# KiCad board ClockIOT.kicad_pcb
title: ClockIOT; date: 2018-06-10; rev: rev 1; company: www.wyolum.com; note: https://github.com/wyolum/ClockIOT
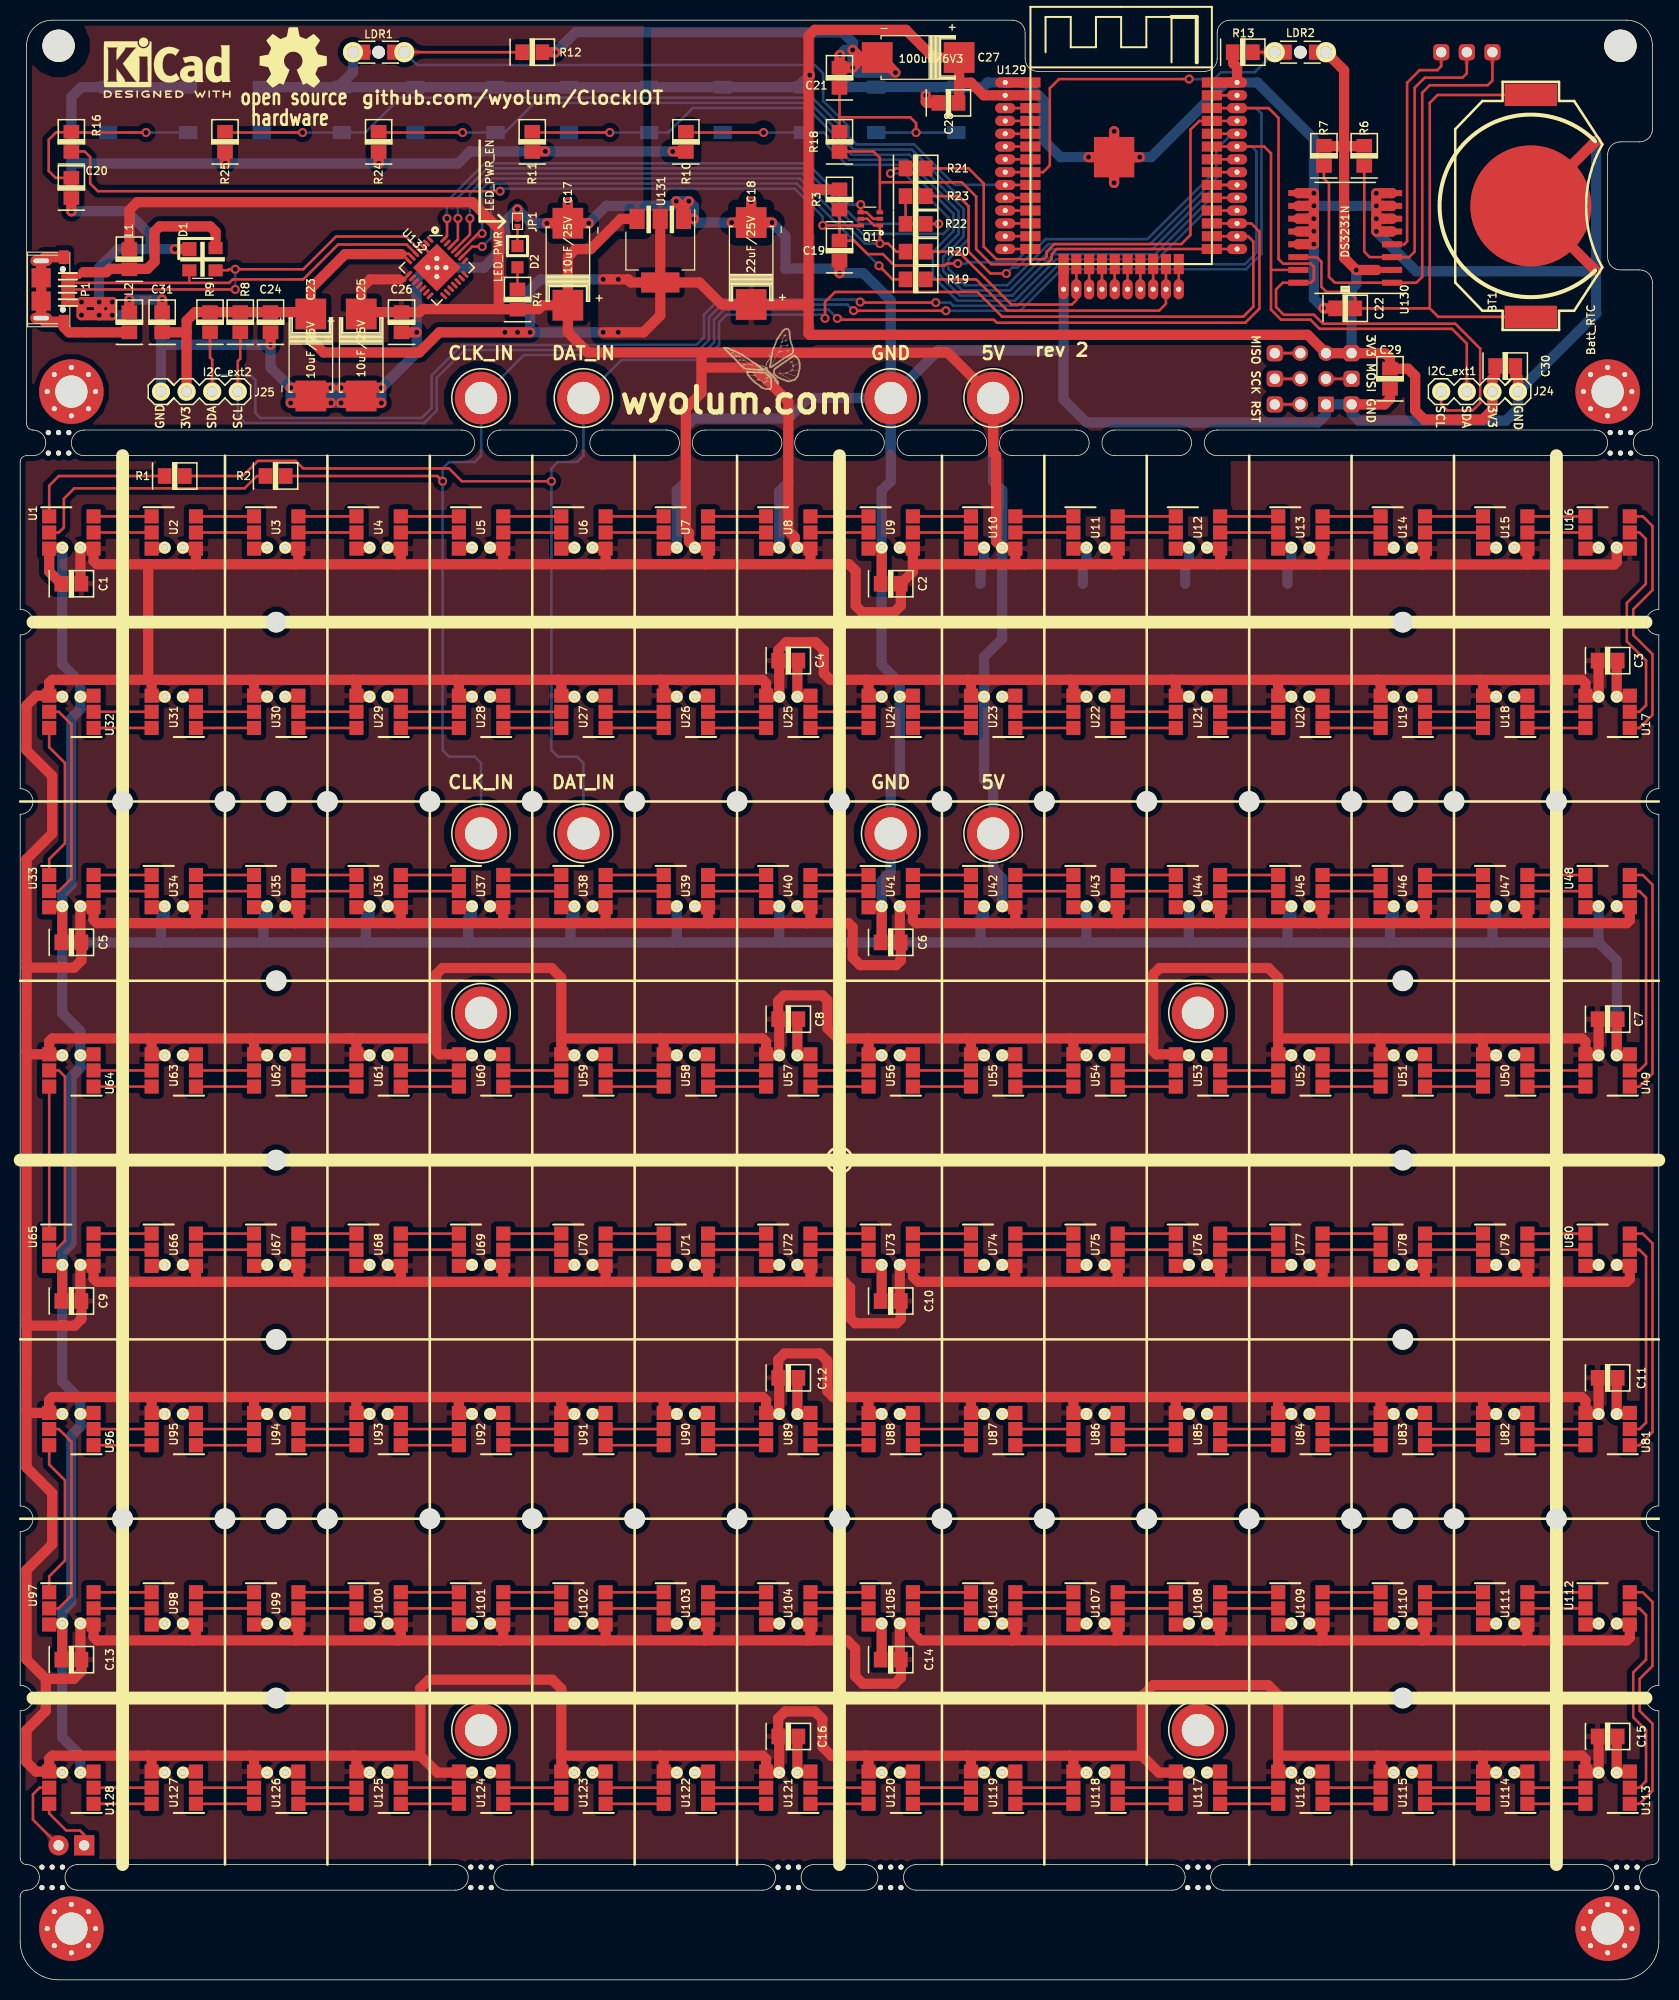
[diagram p0: board, top side]
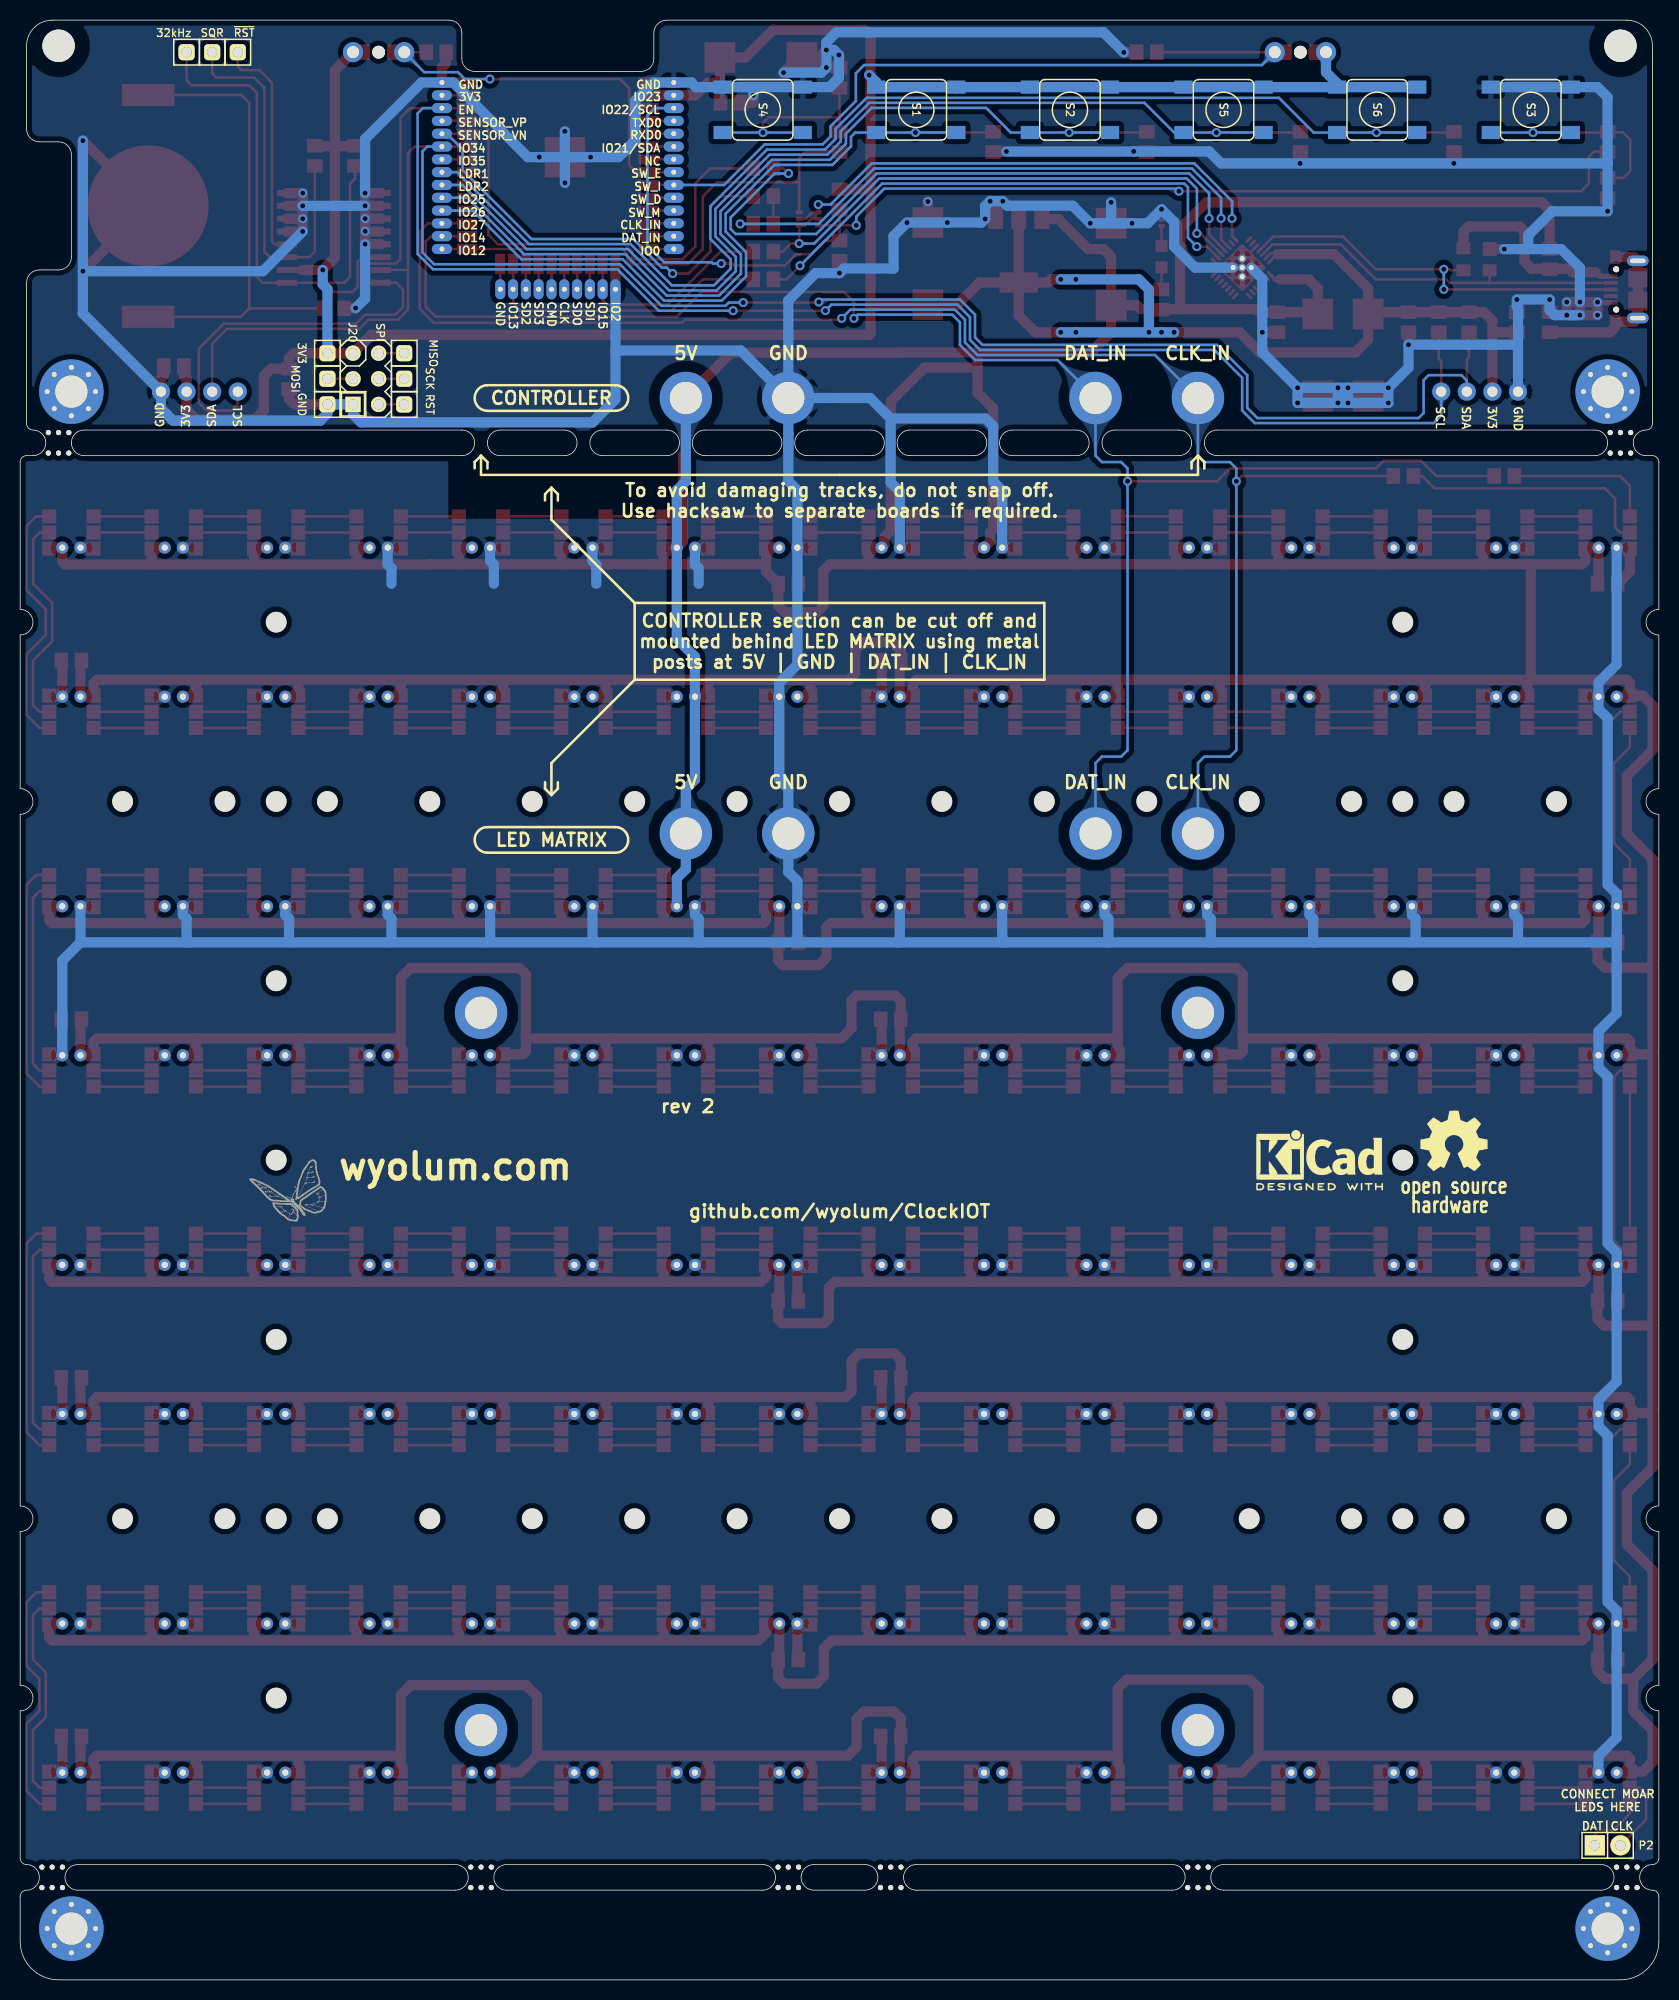
[diagram p1: board, bottom side, seen from below]

Outline 162.56 x 194.31 mm; copper layers: Top, Bottom. Coordinates in mm from the lower left corner of the outline.
Outline path: 0,150.5 arc(0.19,150.94) 0.63,151.13 1.27,151.13 arc(2.54,152.4) 1.27,153.67 arc(0.82,153.86) 0.63,154.31 0.63,191.77 arc(1.38,193.57) 3.18,194.31 98.43,194.31 arc(99.32,193.94) 99.7,193.04 99.7,190.5 arc(100.07,189.6) 100.97,189.23 117.47,189.23 arc(118.37,189.6) 118.75,190.5 118.75,193.04 arc(119.12,193.94) 120.02,194.31 159.39,194.31 arc(161.18,193.57) 161.93,191.77 161.93,183.52 arc(161.55,182.62) 160.66,182.25 158.75,182.25 arc(157.85,181.87) 157.48,180.98 157.48,170.81 arc(157.85,169.92) 158.75,169.55 160.66,169.55 arc(161.55,169.17) 161.93,168.28 161.93,154.31 arc(161.74,153.86) 161.29,153.67 arc(160.02,152.4) 161.29,151.13 161.93,151.13 arc(162.37,150.94) 162.56,150.5 162.56,135.89 arc(161.29,134.62) 162.56,133.35 162.56,118.11 arc(161.29,116.84) 162.56,115.57 162.56,46.99 arc(161.29,45.72) 162.56,44.45 162.56,29.21 arc(161.29,27.94) 162.56,26.67 162.56,12.07 arc(162.37,11.62) 161.93,11.43 arc(160.66,10.16) 161.93,8.89 arc(162.37,8.7) 162.56,8.26 162.56,3.81 arc(161.44,1.12) 158.75,0 3.81,0 arc(1.12,1.12) 0,3.81 0,8.26 arc(0.19,8.7) 0.63,8.89 arc(1.91,10.16) 0.63,11.43 arc(0.19,11.62) 0,12.07 0,26.67 arc(1.27,27.94) 0,29.21 0,44.45 arc(1.27,45.72) 0,46.99 0,115.57 arc(1.27,116.84) 0,118.11 0,133.35 arc(1.27,134.62) 0,135.89 0,150.5 ; 5.72,11.43 43.18,11.43 arc(44.45,10.16) 43.18,8.89 5.72,8.89 arc(4.45,10.16) 5.72,11.43 ; 6.35,153.67 43.82,153.67 arc(45.09,152.4) 43.82,151.13 6.35,151.13 arc(5.08,152.4) 6.35,153.67 ; 47.63,153.67 53.98,153.67 arc(55.24,152.4) 53.98,151.13 47.63,151.13 arc(46.35,152.4) 47.63,153.67 ; 48.26,11.43 73.66,11.43 arc(74.93,10.16) 73.66,8.89 48.26,8.89 arc(46.99,10.16) 48.26,11.43 ; 57.79,153.67 64.13,153.67 arc(65.41,152.4) 64.13,151.13 57.79,151.13 arc(56.52,152.4) 57.79,153.67 ; 67.94,153.67 74.29,153.67 arc(75.56,152.4) 74.29,151.13 67.94,151.13 arc(66.68,152.4) 67.94,153.67 ; 78.11,153.67 84.46,153.67 arc(85.72,152.4) 84.46,151.13 78.11,151.13 arc(76.84,152.4) 78.11,153.67 ; 78.74,11.43 83.82,11.43 arc(85.09,10.16) 83.82,8.89 78.74,8.89 arc(77.47,10.16) 78.74,11.43 ; 88.27,153.67 94.62,153.67 arc(95.89,152.4) 94.62,151.13 88.27,151.13 arc(87,152.4) 88.27,153.67 ; 88.9,11.43 114.3,11.43 arc(115.57,10.16) 114.3,8.89 88.9,8.89 arc(87.63,10.16) 88.9,11.43 ; 98.43,151.13 arc(97.16,152.4) 98.43,153.67 104.78,153.67 arc(106.05,152.4) 104.78,151.13 98.43,151.13 ; 108.59,153.67 114.94,153.67 arc(116.21,152.4) 114.94,151.13 108.59,151.13 arc(107.31,152.4) 108.59,153.67 ; 118.75,151.13 arc(117.47,152.4) 118.75,153.67 156.21,153.67 arc(157.48,152.4) 156.21,151.13 118.75,151.13 ; 119.38,8.89 arc(118.11,10.16) 119.38,11.43 156.84,11.43 arc(158.12,10.16) 156.84,8.89 119.38,8.89

## Placement (name value [footprint] x y rotation side)
BITE1  Mouse_Bite  [mouse-bite-2.54mm-slot_OSH]  3.81 152.4 0 top
BITE2  Mouse_Bite  [mouse-bite-2.54mm-slot_OSH]  158.75 152.4 0 top
BITE3  Mouse_Bite  [mouse-bite-2.54mm-slot_OSH]  3.18 10.16 0 top
BITE4  Mouse_Bite  [mouse-bite-2.54mm-slot_OSH]  45.72 10.16 0 top
BITE5  Mouse_Bite  [mouse-bite-2.54mm-slot_OSH]  76.2 10.16 0 top
BITE6  Mouse_Bite  [mouse-bite-2.54mm-slot_OSH]  86.36 10.16 0 top
BITE7  Mouse_Bite  [mouse-bite-2.54mm-slot_OSH]  116.84 10.16 0 top
BITE8  Mouse_Bite  [mouse-bite-2.54mm-slot_OSH]  159.39 10.16 0 top
BT1  Batt_RTC  [CR2032_SMD_SKST-2007D]  149.86 175.9 270 top
C1  100nF  [c_0805]  5.08 138.43 270 top
C2  100nF  [c_0805]  86.36 138.43 270 top
C3  100nF  [c_0805]  157.48 130.81 270 top
C4  100nF  [c_0805]  76.2 130.81 270 top
C5  100nF  [c_0805]  5.08 102.87 270 top
C6  100nF  [c_0805]  86.36 102.87 270 top
C7  100nF  [c_0805]  157.48 95.25 270 top
C8  100nF  [c_0805]  76.2 95.25 270 top
C9  100nF  [c_0805]  5.08 67.31 270 top
C10  100nF  [c_0805]  86.36 67.31 270 top
C11  100nF  [c_0805]  157.48 59.69 270 top
C12  100nF  [c_0805]  76.2 59.69 270 top
C13  100nF  [c_0805]  5.08 31.75 270 top
C14  100nF  [c_0805]  86.36 31.75 270 top
C15  100nF  [c_0805]  157.48 24.13 270 top
C16  100nF  [c_0805]  76.2 24.13 270 top
C17  10uF/25V  [c_2917]  54.34 170.11 270 top
C18  22uF/25V  [c_2917]  72.52 170.18 270 top
C19  1nF  [c_0805]  81.28 171.45 0 top
C20  1nF  [c_0805]  5.08 177.67 0 top
C21  1nF  [c_0805]  81.28 188.6 0 top
C22  100nF  [c_0805]  131.45 165.74 270 top
C23  10uF/25V  [c_2917]  28.84 161.11 90 top
C24  100nF  [c_0805]  24.84 164.36 0 top
C25  10uF/25V  [c_2917]  33.84 161.11 90 top
C26  100nF  [c_0805]  37.84 164.36 0 top
C27  100uF/6V3  [c_2917]  89.09 190.61 0 top
C28  1uF/10V  [c_0805]  92.09 186.11 270 top
C29  100nF  [c_0805]  135.89 158.75 0 top
C30  100nF  [c_0805]  147.32 160.02 270 top
C31  100nF  [c_0805]  14.09 164.36 0 top
D1  PRTR5V0U2X  [SOT-143]  18.09 170.61 270 top
D2  LED_PWR  [LED-0805]  49.34 170.86 90 top
G1  LOGO_WL  [Logo-WL3]  68.59 164.36 0 top
G2  KiCad  [KiCad-Logo2_6mm_SilkScreen]  14.59 189.61 0 top
G3  OSHW  [OSHW_6mm]  27.09 190.61 0 top
G7  LOGO_WL  [Logo-WL3]  140.97 81.92 180 bottom
G8  KiCad  [KiCad-Logo2_6mm_SilkScreen]  33.65 81.28 180 bottom
G9  OSHW  [OSHW_6mm]  20.32 83.19 180 bottom
HB1  hole_baffle  [hole_baffle_2mm]  10.16 116.84 0 top
HB2  hole_baffle  [hole_baffle_2mm]  20.32 116.84 0 top
HB3  hole_baffle  [hole_baffle_2mm]  30.48 116.84 0 top
HB4  hole_baffle  [hole_baffle_2mm]  40.64 116.84 0 top
HB5  hole_baffle  [hole_baffle_2mm]  50.8 116.84 0 top
HB6  hole_baffle  [hole_baffle_2mm]  60.96 116.84 0 top
HB7  hole_baffle  [hole_baffle_2mm]  71.12 116.84 0 top
HB8  hole_baffle  [hole_baffle_2mm]  81.28 116.84 0 top
HB9  hole_baffle  [hole_baffle_2mm]  91.44 116.84 0 top
HB10  hole_baffle  [hole_baffle_2mm]  101.6 116.84 0 top
HB11  hole_baffle  [hole_baffle_2mm]  111.76 116.84 0 top
HB12  hole_baffle  [hole_baffle_2mm]  121.92 116.84 0 top
HB13  hole_baffle  [hole_baffle_2mm]  132.08 116.84 0 top
HB14  hole_baffle  [hole_baffle_2mm]  142.24 116.84 0 top
HB15  hole_baffle  [hole_baffle_2mm]  152.4 116.84 0 top
HB16  hole_baffle  [hole_baffle_2mm]  10.16 45.72 0 top
HB17  hole_baffle  [hole_baffle_2mm]  20.32 45.72 0 top
HB18  hole_baffle  [hole_baffle_2mm]  30.48 45.72 0 top
HB19  hole_baffle  [hole_baffle_2mm]  40.64 45.72 0 top
HB20  hole_baffle  [hole_baffle_2mm]  50.8 45.72 0 top
HB21  hole_baffle  [hole_baffle_2mm]  60.96 45.72 0 top
HB22  hole_baffle  [hole_baffle_2mm]  71.12 45.72 0 top
HB23  hole_baffle  [hole_baffle_2mm]  81.28 45.72 0 top
HB24  hole_baffle  [hole_baffle_2mm]  91.44 45.72 0 top
HB25  hole_baffle  [hole_baffle_2mm]  101.6 45.72 0 top
HB26  hole_baffle  [hole_baffle_2mm]  111.76 45.72 0 top
HB27  hole_baffle  [hole_baffle_2mm]  121.92 45.72 0 top
HB28  hole_baffle  [hole_baffle_2mm]  132.08 45.72 0 top
HB29  hole_baffle  [hole_baffle_2mm]  142.24 45.72 0 top
HB30  hole_baffle  [hole_baffle_2mm]  152.4 45.72 0 top
HB31  hole_baffle  [hole_baffle_2mm]  25.4 134.62 0 top
HB32  hole_baffle  [hole_baffle_2mm]  25.4 116.84 0 top
HB33  hole_baffle  [hole_baffle_2mm]  25.4 99.06 0 top
HB34  hole_baffle  [hole_baffle_2mm]  25.4 81.28 0 top
HB35  hole_baffle  [hole_baffle_2mm]  25.4 63.5 0 top
HB36  hole_baffle  [hole_baffle_2mm]  25.4 45.72 0 top
HB37  hole_baffle  [hole_baffle_2mm]  25.4 27.94 0 top
HB38  hole_baffle  [hole_baffle_2mm]  137.16 134.62 0 top
HB39  hole_baffle  [hole_baffle_2mm]  137.16 116.84 0 top
HB40  hole_baffle  [hole_baffle_2mm]  137.16 99.06 0 top
HB41  hole_baffle  [hole_baffle_2mm]  137.16 81.28 0 top
HB42  hole_baffle  [hole_baffle_2mm]  137.16 63.5 0 top
HB43  hole_baffle  [hole_baffle_2mm]  137.16 45.72 0 top
HB44  hole_baffle  [hole_baffle_2mm]  137.16 27.94 0 top
HB45  mtg_hole_3mm_small  [MountingHole_3.2mm_M3]  3.81 191.77 0 top
HB46  mtg_hole_3mm_small  [MountingHole_3.2mm_M3]  158.75 191.77 0 top
HB47  mtg_hole_3mm  [MountingHole_3.2mm_M3_Pad_Via]  5.08 157.48 0 top
HB48  mtg_hole_3mm  [MountingHole_3.2mm_M3_Pad_Via]  157.48 157.48 0 top
HB49  mtg_hole_3mm  [MountingHole_3.2mm_M3_Pad_Via]  5.08 5.08 0 top
HB50  mtg_hole_3mm  [MountingHole_3.2mm_M3_Pad_Via]  157.48 5.08 0 top
HB51  mtg_hole_3mm  [1pin]  45.72 95.89 0 top
HB52  mtg_hole_3mm  [1pin]  116.84 95.89 0 top
HB53  mtg_hole_3mm  [1pin]  116.84 24.77 0 top
HB54  mtg_hole_3mm  [1pin]  45.72 24.77 0 top
J1  CLK_IN  [1pin]  45.72 156.85 0 top
J2  DAT_IN  [1pin]  55.88 156.85 0 top
J7  5V  [1pin]  96.52 156.85 0 top
J8  GND  [1pin]  86.36 156.85 0 top
J9  CLK_IN  [1pin]  45.72 113.67 0 top
J10  DAT_IN  [1pin]  55.88 113.67 0 top
J15  5V  [1pin]  96.52 113.67 0 top
J16  GND  [1pin]  86.36 113.67 0 top
J17  MISO  [BreakOutPad]  124.46 161.29 90 bottom
J18  3V3  [BreakOutPad]  132.08 161.29 90 bottom
J19  SCK  [BreakOutPad]  124.46 158.75 90 bottom
J20  SPI  [Header_ISP]  128.27 158.75 90 bottom
J21  MOSI  [BreakOutPad]  132.08 158.75 90 bottom
J22  RST  [BreakOutPad]  124.46 156.21 90 bottom
J23  GND  [BreakOutPad]  132.08 156.21 90 bottom
J24  I2C_ext1  [Header_4x1]  144.78 157.48 0 top
J25  I2C_ext2  [Header_4x1]  17.78 157.48 180 top
JP1  LED_PWR_EN  [R_0402]  49.34 174.36 270 top
L1  330E  [r_0805]  10.84 170.61 90 top
L2  330E  [r_0805]  10.84 164.36 90 top
LDR1  LDR  [r_0805_ldr_2]  35.56 191.14 180 top
LDR2  LDR  [r_0805_ldr_2]  127 191.14 0 top
P1  USB_micro  [USB_Micro-B_seeed-320010561]  0.63 167.61 270 top
P2  OUT_CLK_DAT  [Pin_Header_Straight_1x02]  5.08 13.34 180 bottom
Q1  DDC114TU  [SOT-363_SC-70-6]  84.34 174.61 180 top
R1  470R  [r_0805]  15.34 149.11 0 top
R2  470R  [r_0805]  25.34 149.11 0 top
R3  10k  [r_0805]  81.28 176.53 90 top
R4  1k  [r_0805]  49.34 166.61 90 top
R6  10k  [r_0805]  133.34 180.86 90 top
R7  10k  [r_0805]  129.34 180.86 90 top
R8  4K7  [r_0805]  21.84 164.36 90 top
R9  4K7  [r_0805]  18.84 164.36 90 top
R10  10k  [r_0805]  66.04 182.25 90 top
R11  10k  [r_0805]  50.8 182.25 90 top
R12  10k  [r_0805]  50.8 191.14 0 top
R13  10k  [r_0805]  121.28 191.14 0 top
R16  470R  [r_0805]  5.08 182.25 90 top
R18  470R  [r_0805]  81.28 182.25 90 top
R19  0R NC  [r_0805]  88.84 168.61 0 top
R20  0R NC  [r_0805]  88.84 171.36 0 top
R21  0R  [r_0805]  88.84 179.61 0 top
R22  470R  [r_0805]  88.84 174.11 0 top
R23  0R  [r_0805]  88.84 176.86 0 top
R24  10k  [r_0805]  35.56 182.25 90 top
R25  10k  [r_0805]  20.32 182.25 90 top
S1  SW-ENTER  [SW_SMD_311020004]  73.66 185.42 270 bottom
S2  SW-INC  [SW_SMD_311020004]  58.42 185.42 270 bottom
S3  SW-EN  [SW_SMD_311020004]  12.7 185.42 270 bottom
S4  SW-BOOT  [SW_SMD_311020004]  88.9 185.42 270 bottom
S5  SW-DEC  [SW_SMD_311020004]  43.18 185.42 270 bottom
S6  SW-MODE  [SW_SMD_311020004]  27.94 185.42 270 bottom
TP1  ~{RST}  [BreakOutPad]  140.97 191.14 0 bottom
TP2  SQR  [BreakOutPad]  143.51 191.14 0 bottom
TP3  32kHz  [BreakOutPad]  146.05 191.14 0 bottom
U1  -  [APA102]  5.08 143.51 270 top
U2  -  [APA102]  15.24 143.51 270 top
U3  -  [APA102]  25.4 143.51 270 top
U4  -  [APA102]  35.56 143.51 270 top
U5  -  [APA102]  45.72 143.51 270 top
U6  -  [APA102]  55.88 143.51 270 top
U7  -  [APA102]  66.04 143.51 270 top
U8  -  [APA102]  76.2 143.51 270 top
U9  -  [APA102]  86.36 143.51 270 top
U10  -  [APA102]  96.52 143.51 270 top
U11  -  [APA102]  106.68 143.51 270 top
U12  -  [APA102]  116.84 143.51 270 top
U13  -  [APA102]  127 143.51 270 top
U14  -  [APA102]  137.16 143.51 270 top
U15  -  [APA102]  147.32 143.51 270 top
U16  -  [APA102]  157.48 143.51 270 top
U17  -  [APA102]  157.48 125.73 90 top
U18  -  [APA102]  147.32 125.73 90 top
U19  -  [APA102]  137.16 125.73 90 top
U20  -  [APA102]  127 125.73 90 top
U21  -  [APA102]  116.84 125.73 90 top
U22  -  [APA102]  106.68 125.73 90 top
U23  -  [APA102]  96.52 125.73 90 top
U24  -  [APA102]  86.36 125.73 90 top
U25  -  [APA102]  76.2 125.73 90 top
U26  -  [APA102]  66.04 125.73 90 top
U27  -  [APA102]  55.88 125.73 90 top
U28  -  [APA102]  45.72 125.73 90 top
U29  -  [APA102]  35.56 125.73 90 top
U30  -  [APA102]  25.4 125.73 90 top
U31  -  [APA102]  15.24 125.73 90 top
U32  -  [APA102]  5.08 125.73 90 top
U33  -  [APA102]  5.08 107.95 270 top
U34  -  [APA102]  15.24 107.95 270 top
U35  -  [APA102]  25.4 107.95 270 top
U36  -  [APA102]  35.56 107.95 270 top
U37  -  [APA102]  45.72 107.95 270 top
U38  -  [APA102]  55.88 107.95 270 top
U39  -  [APA102]  66.04 107.95 270 top
U40  -  [APA102]  76.2 107.95 270 top
U41  -  [APA102]  86.36 107.95 270 top
U42  -  [APA102]  96.52 107.95 270 top
U43  -  [APA102]  106.68 107.95 270 top
U44  -  [APA102]  116.84 107.95 270 top
U45  -  [APA102]  127 107.95 270 top
U46  -  [APA102]  137.16 107.95 270 top
U47  -  [APA102]  147.32 107.95 270 top
U48  -  [APA102]  157.48 107.95 270 top
U49  -  [APA102]  157.48 90.17 90 top
U50  -  [APA102]  147.32 90.17 90 top
U51  -  [APA102]  137.16 90.17 90 top
U52  -  [APA102]  127 90.17 90 top
U53  -  [APA102]  116.84 90.17 90 top
U54  -  [APA102]  106.68 90.17 90 top
U55  -  [APA102]  96.52 90.17 90 top
U56  -  [APA102]  86.36 90.17 90 top
U57  -  [APA102]  76.2 90.17 90 top
U58  -  [APA102]  66.04 90.17 90 top
U59  -  [APA102]  55.88 90.17 90 top
U60  -  [APA102]  45.72 90.17 90 top
U61  -  [APA102]  35.56 90.17 90 top
U62  -  [APA102]  25.4 90.17 90 top
U63  -  [APA102]  15.24 90.17 90 top
U64  -  [APA102]  5.08 90.17 90 top
U65  -  [APA102]  5.08 72.39 270 top
U66  -  [APA102]  15.24 72.39 270 top
U67  -  [APA102]  25.4 72.39 270 top
U68  -  [APA102]  35.56 72.39 270 top
U69  -  [APA102]  45.72 72.39 270 top
U70  -  [APA102]  55.88 72.39 270 top
U71  -  [APA102]  66.04 72.39 270 top
U72  -  [APA102]  76.2 72.39 270 top
U73  -  [APA102]  86.36 72.39 270 top
U74  -  [APA102]  96.52 72.39 270 top
U75  -  [APA102]  106.68 72.39 270 top
U76  -  [APA102]  116.84 72.39 270 top
U77  -  [APA102]  127 72.39 270 top
U78  -  [APA102]  137.16 72.39 270 top
U79  -  [APA102]  147.32 72.39 270 top
U80  -  [APA102]  157.48 72.39 270 top
U81  -  [APA102]  157.48 54.61 90 top
U82  -  [APA102]  147.32 54.61 90 top
U83  -  [APA102]  137.16 54.61 90 top
U84  -  [APA102]  127 54.61 90 top
U85  -  [APA102]  116.84 54.61 90 top
U86  -  [APA102]  106.68 54.61 90 top
U87  -  [APA102]  96.52 54.61 90 top
U88  -  [APA102]  86.36 54.61 90 top
U89  -  [APA102]  76.2 54.61 90 top
U90  -  [APA102]  66.04 54.61 90 top
U91  -  [APA102]  55.88 54.61 90 top
U92  -  [APA102]  45.72 54.61 90 top
U93  -  [APA102]  35.56 54.61 90 top
U94  -  [APA102]  25.4 54.61 90 top
U95  -  [APA102]  15.24 54.61 90 top
U96  -  [APA102]  5.08 54.61 90 top
U97  -  [APA102]  5.08 36.83 270 top
U98  -  [APA102]  15.24 36.83 270 top
U99  -  [APA102]  25.4 36.83 270 top
U100  -  [APA102]  35.56 36.83 270 top
U101  -  [APA102]  45.72 36.83 270 top
U102  -  [APA102]  55.88 36.83 270 top
U103  -  [APA102]  66.04 36.83 270 top
U104  -  [APA102]  76.2 36.83 270 top
U105  -  [APA102]  86.36 36.83 270 top
U106  -  [APA102]  96.52 36.83 270 top
U107  -  [APA102]  106.68 36.83 270 top
U108  -  [APA102]  116.84 36.83 270 top
U109  -  [APA102]  127 36.83 270 top
U110  -  [APA102]  137.16 36.83 270 top
U111  -  [APA102]  147.32 36.83 270 top
U112  -  [APA102]  157.48 36.83 270 top
U113  -  [APA102]  157.48 19.05 90 top
U114  -  [APA102]  147.32 19.05 90 top
U115  -  [APA102]  137.16 19.05 90 top
U116  -  [APA102]  127 19.05 90 top
U117  -  [APA102]  116.84 19.05 90 top
U118  -  [APA102]  106.68 19.05 90 top
U119  -  [APA102]  96.52 19.05 90 top
U120  -  [APA102]  86.36 19.05 90 top
U121  -  [APA102]  76.2 19.05 90 top
U122  -  [APA102]  66.04 19.05 90 top
U123  -  [APA102]  55.88 19.05 90 top
U124  -  [APA102]  45.72 19.05 90 top
U125  -  [APA102]  35.56 19.05 90 top
U126  -  [APA102]  25.4 19.05 90 top
U127  -  [APA102]  15.24 19.05 90 top
U128  -  [APA102]  5.08 19.05 90 top
U129  ESP-wroom-32  [esp_wroom_32]  109.22 182.88 0 top
U130  DS3231N  [DS3231]  131.45 172.72 90 top
U131  1117-33  [SOT-223-3_TabPin2]  63.5 171.45 270 top
U132  CP2102N-A01-GQFN28  [QFN-28-1EP_5x5mm_Pitch0.5mm]  41.34 169.77 315 top

## Footprints (pads in the part's own frame, mm; a bottom-side part is the same pattern mirrored in y, then rotated)
1pin
  round 5.2 hole 3.2: 1(0,0)
APA102
  rect 1.4x1.4 smd: 1(-1.6,-2.2) 2(0,-2.2) 3(1.6,-2.2) 4(1.6,2.2) 5(0,2.2) 6(-1.6,2.2)
  round 1.2 hole 0.635: 3(1.5,-0.9) 4(1.5,0.9)
BreakOutPad
  rrect 1.6x1.6 hole 1.02: 1(0,0)
c_0805
  rect 1.55x1.35 smd: 1(0,1) 2(0,-1)
c_2917
  rect 3.048x3.048 smd: 1(4.064,0) 2(-4.064,0)
CR2032_SMD_SKST-2007D
  rect 2.2x5.2 smd: 1(-11,0) 1(11,0)
  round 12 smd: 2(0,0)
DS3231
  rect 0.599x1.999 smd: 1(-4.445,-4.651) 2(-3.175,-4.651) 3(-1.905,-4.651) 4(-0.635,-4.651) 5(0.635,-4.651) 6(1.905,-4.651) 7(3.175,-4.651) 8(4.445,-4.651) 9(4.445,4.651) 10(3.175,4.651) 11(1.905,4.651) 12(0.635,4.651) 13(-0.635,4.651) 14(-1.905,4.651) 15(-3.175,4.651) 16(-4.445,4.651)
esp_wroom_32
  oval 2x1 hole 0.5: 1(-11.5,5.25) 2(-11.5,3.98) 3(-11.5,2.71) 4(-11.5,1.44) 5(-11.5,0.17) 6(-11.5,-1.1) 7(-11.5,-2.37) 8(-11.5,-3.64) 9(-11.5,-4.91) 10(-11.5,-6.18) 11(-11.5,-7.45) 12(-11.5,-8.72) 13(-11.5,-9.99) 14(-11.5,-11.26) 25(11.5,-11.26) 26(11.5,-9.99) 27(11.5,-8.72) 28(11.5,-7.45) 29(11.5,-6.18) 30(11.5,-4.91) 31(11.5,-3.64) 32(11.5,-2.37) 33(11.5,-1.1) 34(11.5,0.17) 35(11.5,1.44) 36(11.5,2.71) 37(11.5,3.98) 38(11.5,5.25)
  rect 2x1 smd: 1(-9,5.25) 2(-9,3.98) 3(-9,2.71) 4(-9,1.44) 5(-9,0.17) 6(-9,-1.1) 7(-9,-2.37) 8(-9,-3.64) 9(-9,-4.91) 10(-9,-6.18) 11(-9,-7.45) 12(-9,-8.72) 13(-9,-9.99) 14(-9,-11.26) 25(9,-11.26) 26(9,-9.99) 27(9,-8.72) 28(9,-7.45) 29(9,-6.18) 30(9,-4.91) 31(9,-3.64) 32(9,-2.37) 33(9,-1.1) 34(9,0.17) 35(9,1.44) 36(9,2.71) 37(9,3.98) 38(9,5.25)
  rect 1x2 smd: 15(-5.715,-12.75) 16(-4.445,-12.75) 17(-3.175,-12.75) 18(-1.905,-12.75) 19(-0.635,-12.75) 20(0.635,-12.75) 21(1.905,-12.75) 22(3.175,-12.75) 23(4.445,-12.75) 24(5.715,-12.75)
  oval 1x2 hole 0.5: 15(-5.715,-15.25) 16(-4.445,-15.25) 17(-3.175,-15.25) 18(-1.905,-15.25) 19(-0.635,-15.25) 20(0.635,-15.25) 21(1.905,-15.25) 22(3.175,-15.25) 23(4.445,-15.25) 24(5.715,-15.25)
  rect 4x4 smd: 39(-0.7,-2.15)
Header_4x1
  round 1.8 hole 1.02: 1(-3.81,0) 2(-1.27,0) 3(1.27,0) 4(3.81,0)
Header_ISP
  round 1.524 hole 1.016: 1(2.54,-1.27) 2(2.54,1.27) 3(0,-1.27) 4(0,1.27) 5(-2.54,-1.27)
  rect 1.524x1.524 hole 1.016: 6(-2.54,1.27)
hole_baffle_2mm
  round 2.083 hole 2.032 unplated: (0,0)
LED-0805
  rect 1.199x1.199 smd: 1(-1.049,0) 2(1.049,0)
MountingHole_3.2mm_M3
  round 3.2 hole 3.2 unplated: (0,0)
MountingHole_3.2mm_M3_Pad_Via
  round 0.8 hole 0.5: 1(-2.4,0) 1(-1.697,1.697) 1(-1.697,-1.697) 1(0,2.4) 1(0,-2.4) 1(1.697,1.697) 1(1.697,-1.697) 1(2.4,0)
  round 6.4 hole 3.2: 1(0,0)
mouse-bite-2.54mm-slot_OSH
  round 0.508 hole 0.508 unplated: (-1.016,1.016) (-1.016,-1.016) (0,1.016) (0,-1.016) (1.016,1.016) (1.016,-1.016)
Pin_Header_Straight_1x02
  rect 2x2 hole 1.02: 1(-1.27,0)
  oval 2x2 hole 1.02: 2(1.27,0)
QFN-28-1EP_5x5mm_Pitch0.5mm
  oval 0.85x0.3 smd: 1(-2.45,1.5) 2(-2.45,1) 3(-2.45,0.5) 4(-2.45,0) 5(-2.45,-0.5) 6(-2.45,-1) 7(-2.45,-1.5) 15(2.45,-1.5) 16(2.45,-1) 17(2.45,-0.5) 18(2.45,0) 19(2.45,0.5) 20(2.45,1) 21(2.45,1.5)
  oval 0.3x0.85 smd: 8(-1.5,-2.45) 9(-1,-2.45) 10(-0.5,-2.45) 11(0,-2.45) 12(0.5,-2.45) 13(1,-2.45) 14(1.5,-2.45) 22(1.5,2.45) 23(1,2.45) 24(0.5,2.45) 25(0,2.45) 26(-0.5,2.45) 27(-1,2.45) 28(-1.5,2.45)
  rect 1.675x1.675 smd: 29(-0.838,0.838) 29(-0.838,-0.838) 29(0.838,0.838) 29(0.838,-0.838)
  round 0.8 hole 0.5: 29(-0.635,0.635) 29(-0.635,-0.635) 29(0,0) 29(0.635,0.635) 29(0.635,-0.635)
R_0402
  rect 0.4x0.6 smd: 1(-0.45,0) 2(0.45,0)
r_0805
  rect 1.35x1.55 smd: 1(1,0) 2(-1,0)
r_0805_ldr_2
  round 1.27 hole 1.27 unplated: (0,0)
  rect 1.3x1.499 smd: 1(1.5,0) 2(-1.5,0)
  round 2 hole 1.2: 1(2.54,0) 2(-2.54,0)
SOT-143
  rect 1.4x1.4 smd: 1(-1,-1.3)
  rect 1.2x1.4 smd: 2(1.1,-1.3) 3(1.1,1.3) 4(-1.1,1.3)
SOT-223-3_TabPin2
  rect 2x1.5 smd: 1(-3.15,2.3) 2(-3.15,0) 3(-3.15,-2.3)
  rect 2x3.8 smd: 2(3.15,0)
SOT-363_SC-70-6
  rect 0.65x0.4 smd: 1(-0.95,0.65) 2(-0.95,0) 3(-0.95,-0.65) 4(0.95,-0.65) 5(0.95,0) 6(0.95,0.65)
SW_SMD_311020004
  rect 1.3x1.8 smd: 1(-2.25,3.975) 2(2.25,3.975) 3(-2.25,-3.975) 4(2.25,-3.975)
USB_Micro-B_seeed-320010561
  round 0.6 hole 0.6 unplated: (-2,3.6) (2,3.6)
  rect 0.4x1.35 smd: 1(-1.3,4.125) 2(-0.65,4.125) 3(0,4.125) 4(0.65,4.125) 5(1.3,4.125)
  rect 1.35x1 smd: 6(-3.2,3.7) 6(3.2,3.7)
  oval 1.05x2.15 hole 0.45x1.55: 6(-2.835,1.45) 6(2.835,1.45)
  rect 1.9x1.9 smd: 6(-1.15,1.45) 6(1.15,1.45)
